# KiCad board AnalogFNN.kicad_pcb (continued)
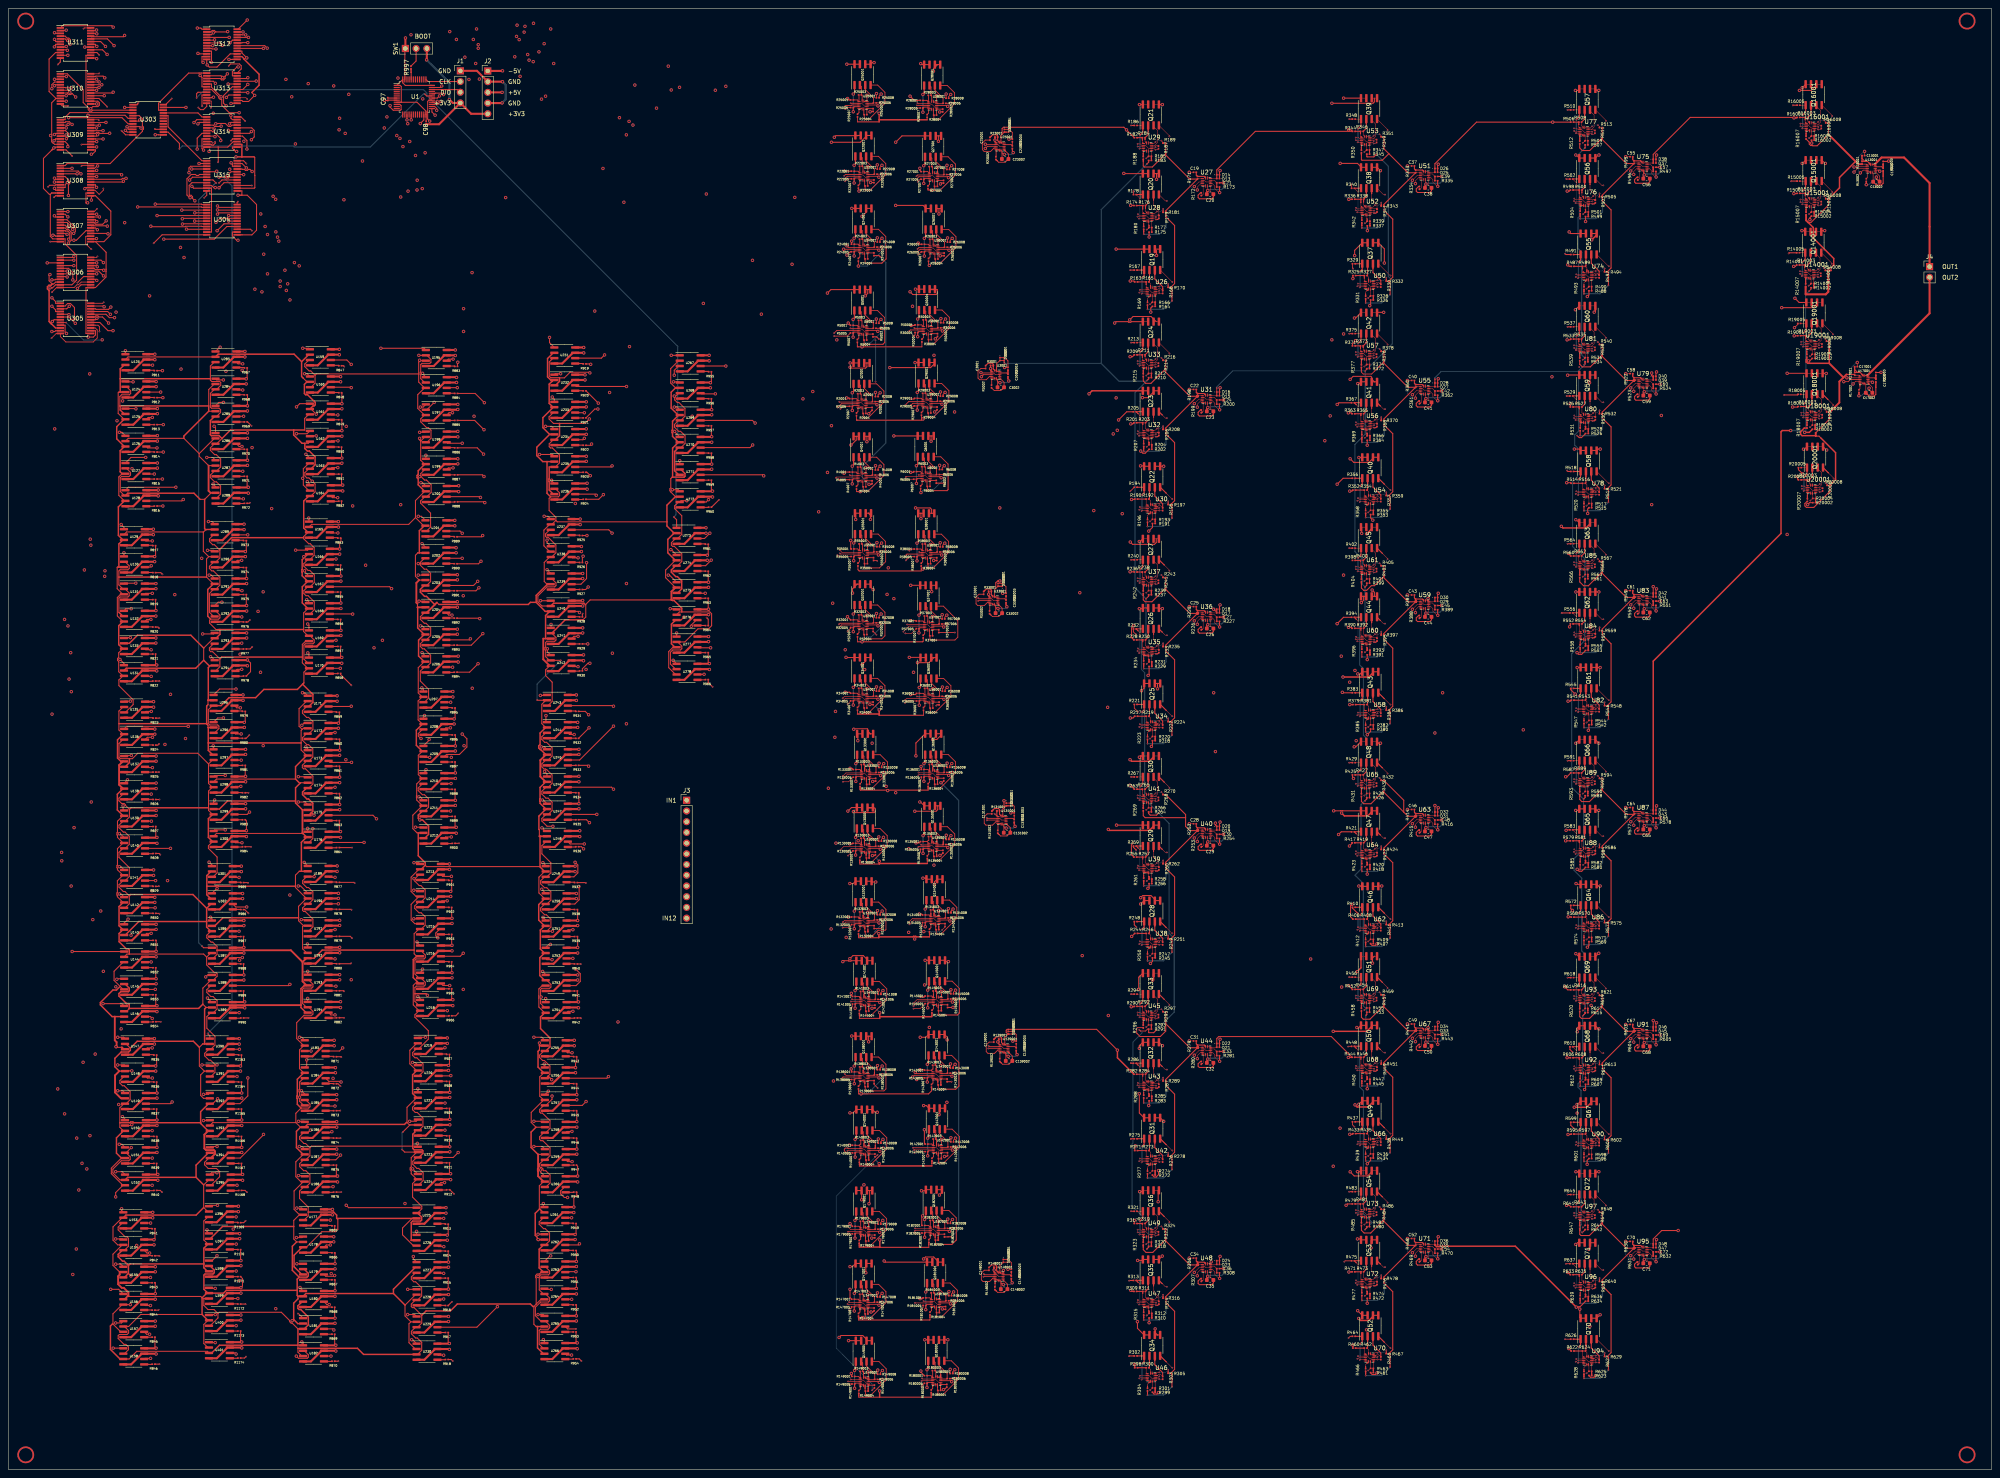
[diagram p0: board, top side]
## Routing (per net, layer and track width the routed paths; a pad name or vN(x,y) marks a point on that pad's centre or on a via; arc(x,y) is an arc through that point) (continued)
  Top w0.15: v2(214.5,110.6) 215.4,111.5 U145001.2 ; R136005.1 216.35,163.75 v2(216,163.4) ; v2(214.85,57.2) 214.96,57.09 U182001.2 ; v2(214.4,76.3) 214.49,76.4 U142001.2 ; 217.08,20.38 v2(216.4,19.7) ; R145005.1 216.05,109.3 v2(214.5,109.3) ; v2(216.3,37.9) 216.78,38.38 R181005.1 ; v2(199.2,37.7) 199.85,38.35 R147005.1 ; R6005.1 212.73,234.85 v2(212.68,234.8) ; v2(199.22,39.72) 199.34,39.59 U147001.2 ; v2(56.6,325.01) 56.28,325.32 U313.15 ; R133005.1 199.12,163.11 v2(197.78,163.11) ; R35005.1 196.82,216.53 v2(196.45,216.9) ; R182005.1 214.89,56.09 v2(214.8,56) ; U180001.2 216.68,21.47 v2(216.52,21.63) ; v2(199.92,111.54) 200.06,111.4 U141001.2 ; R142005.1 215,75.4 v2(214.7,75.1) ; v2(215.71,235.92) 215.79,235.85 U6001.2 ; U179001.2 199.62,56.89 v2(198.81,57.71) ; U34001.2 198.1,183.3 v2(197.7,182.9) ; U17001.2 435.73,258.9 ; R141005.1 200.05,109.75 v2(199.7,109.4) ; v2(216.49,128.9) 216.65,129.06 R134005.1 ; v2(215.3,183.35) 215.37,183.28 217.21,183.28 ; v2(198.2,93.8) 198.5,93.5 U138001.2 ; U136001.2 215.78,165.22 v2(215.7,165.3) ; U130001.2 197.93,147.72 v2(197.2,147) ; v2(212.5,181.8) 212.97,182.28 R36005.1 ; R132005.1 199.1,128.5 v2(197.7,128.5) ; U35001.2 197.54,217.53 v2(197,218.06) ; v2(198.93,74.9) 199.13,75.1 R140005.1 ; 199.61,182.24 v2(198.87,181.5) ; U37001.2 213.03,200.43 v2(213,200.4) ; v2(199.6,21.37) 199.67,21.29 U149001.2 ; U181001.2 216.95,39.92 v2(216.88,39.99) ; v2(212.57,198.3) 214.05,198.3 R37005.1 ; v2(197.76,129.84) 198.18,130.25 U132001.2 ; R179005.1 198.99,55.89 v2(198.8,55.7) ; U4001.2 199.48,235.75 v2(199.38,235.85) ; v2(213.49,129.91) 214.3,130.72 U134001.2 ; U133001.2 198.49,165.2 v2(197.79,164.5) ; 440.54,308.95 437.46,308.95 v1(437.41,308.9) ; 200.12,146.72 v2(199,145.6)
  Top w0.2: D33001.1 D33002.2 235.68,210.12 236.43,209.38 R33003.2 235.65,207.82 v1(235.63,207.8) ; v2(317.5,100.3) 317.57,100.37 R448.1 ; v1(441.77,257.85) 441.52,258.1 U17001.9 U17001.10 ; U143001.2 215.22,93.9 v1(214.9,94.22) ; v2(319,81.3) 318.54,81.76 R437.1 ; R329.1 318.54,284.96 v2(318.7,284.8) ; 205.95,21.39 v1(207.13,21.39) ; R34006.1 v1(206.83,183.4) ; R19005.1 424.09,271.59 v1(423.3,270.8) ; R25006.1 v1(206.83,324.1) ; v2(215.42,324.09) 215.6,323.9 U28001.2 ; R5006.1 v1(206.79,270.65) ; v2(214,251.7) 214.55,252.25 R29005.1 ; R135006.1 v1(223.37,148.22) ; D3001.1 D3002.2 236.14,263.67 236.89,262.93 R3003.2 236.11,261.37 v1(236.09,261.35) ; U33001.2 230,206.5 v2(229.82,206.68) ; U22001.2 198.36,307.1 v2(198.08,306.81) ; U25001.2 v2(199.6,324) ; D131001.1 D131002.2 237.62,158.04 238.37,157.3 R131003.2 237.59,155.75 v1(237.57,155.72) ; 205.89,39.69 v1(207.07,39.69) ; R136006.1 v1(223.57,165.32) ; v2(267.17,198.1) 266.64,198.63 R232.1 ; R32005.1 199.61,199.54 v2(198.87,198.8) ; R142006.1 v1(224.47,76.5) ; R140006.1 v1(207.27,76.2) ; 233.83,46.19 231.33,46.19 v2(231.13,46.39) ; U139001.2 232.47,100.3 v2(232.27,100.5) ; U308.15 20.52,303.38 21.5,302.4 22.5,303.4 v2(22.5,303.8) ; U38001.2 215.95,217.5 v2(215.85,217.6) ; 222.55,57.19 v1(223.73,57.19) ; R145006.1 v1(224.47,111.6) ; v2(10.3,279.2) 11.41,280.31 U306.12 15.56,280.31 16.22,280.97 16.61,280.97 17.25,281.61 U306.15 ; 435.73,258.9 v1(435.71,258.9) ; U32001.2 197.08,200.7 v2(196.79,200.42) ; R37006.1 v1(222.4,200.53) ; v1(238.04,101.6) 238.06,101.62 R139003.2 238.84,103.18 238.1,103.92 D139002.2 D139001.1 ; v2(212.68,215.6) 213.58,216.5 R38005.1 ; v2(215.45,289.45) 215.77,289.77 U26001.2 ; v2(198.3,305.5) 198.9,306.1 R22005.1 ; v2(198.93,74.9) 198.8,74.9 198.1,75.6 198.1,76 198.34,76.24 v2(198.9,76.24) 199.04,76.1 U140001.2 ; R132006.1 v1(207.07,130.35) ; R221.1 266.84,180.56 v2(267.7,179.7) ; R6006.1 v1(221.79,235.95) ; 235.73,45.8 235.73,45.39 ; v2(195.7,268.8) 198.82,268.8 R5005.1 ; 234.94,259.65 234.94,259.25 ; 206.05,57 v1(207.23,57) ; v1(443.51,307.9) 443.25,308.15 U13001.9 ; R28005.1 v2(215.3,322.9) ; U5001.2 199.65,270.55 v2(199.55,270.65) ; R626.1 368.92,30.92 v2(368.9,30.9) ; U23001.10 U23001.9 ; R130006.1 v1(207.37,147.82) ; R134006.1 v1(223.87,130.82) ; v2(10.2,268.3) 11.32,269.43 U305.12 12.3,268.7 13.6,267.4 20.1,267.4 21.05,268.35 21.05,270.25 20.58,270.73 U305.15 ; v2(212.6,252.5) 213.35,253.25 U29001.2 ; R133006.1 v1(207.44,165.3) ; R143006.1 v1(224.37,94) ; R24006.1 v1(207.03,289.9) ; R464.1 318,31.6 v2(317.6,31.2) ; v1(237.13,315.5) 237.15,315.52 R23003.2 237.93,317.08 237.18,317.82 D23002.2 D23001.1 ; 266.83,232.95 v2(265.87,231.99) ; U24001.2 199.13,289.8 v1(198.73,290.2) ; v2(214.5,268.7) 214.87,269.07 R30005.1 ; v1(215.25,92.5) 215.65,92.9 R143005.1 ; R180006.1 v1(224.3,21.57) ; R29006.1 v1(221.99,253.35) ; R178.1 266.64,303.16 v2(266.6,303.2) ; R35006.1 v1(206.93,217.62) ; v2(369.1,48.8) 369.12,48.82 R637.1 ; v2(215.8,146.1) 216.15,146.45 R135005.1 ; 236.42,154.03 236.42,153.62 ; R2006.1 v1(206.59,253.25) ; 442.44,308.55 442.44,308.15 ; v1(236.88,47.5) 236.9,47.51 237.68,47.51 237.68,49.07 236.94,49.81 235.78,49.81 ; v2(196.9,253.25) 197,253.15 U2001.2 ; v2(214.7,270.75) 214.8,270.65 U30001.2 ; v2(231.84,154.58) 231.99,154.43 U131001.2 ; R475.1 316.8,49.5 v2(316.6,49.3) ; R26006.1 v1(223.66,289.88) ; v2(318.3,304.8) 318.34,304.76 R340.1 ; U139001.10 U139001.9 ; R22006.1 v1(207.03,307.2) ; v1(230.49,260.15) 230.59,260.06 230.59,260.05 233.04,260.05 ; R138006.1 v1(207.07,93.6) ; v2(215.5,305.4) 216.1,306 R27005.1 ; R4006.1 v1(206.59,235.85) ; v2(215.2,306.7) 215.49,307 U27001.2 ; 443.79,260.16 443.79,260.18 v1(443.81,260.2) ; R30006.1 v1(222.09,270.75) ; R32006.1 v1(206.83,200.8) ; R26005.1 216.27,288.77 v2(215.59,288.1) ; R38006.1 v1(221.93,217.6) ; v1(231.53,314.3) 231.63,314.2 U23001.2 ; R28006.1 v1(223.33,324) ; v2(216.25,148.22) 216.35,148.12 U135001.2 ; U33001.10 U33001.9 ; v2(19.67,289.4) 19.6,289.4 18.32,290.67 18.32,292.4 18.43,292.5 U307.15 ; R141006.1 v1(207.27,111.5) ; R36006.1 v1(222.46,183.38) ; 222.82,40.02 v1(224,40.02) ; v2(198.34,322.6) 198.74,323 R25005.1 ; R27006.1 v1(223.53,307.1)
  Top w0.25: R578.2 390.46,152.22 v1(390.5,152.18) ; 49.73,313.62 51.99,313.62 53.29,314.93 54.2,314.93 ; 49.73,313.62 49.73,310.02 v2(49.7,310) ; 49.73,313.62 U314.12 ; R17003.2 443.79,260.16 ; v2(271.96,90.45) 272.38,90.45 R287.1 ; R206.1 272.38,244.95 v2(271.96,244.95) ; R476.1 324.08,43.6 v2(323.66,43.6) ; v1(338.86,156.94) 338.71,156.8 D32.2 D31.1 ; v1(287.16,256.55) 287.01,256.41 D16.2 D15.1 ; R395.1 324.08,196.21 v2(323.66,196.21) ; R605.2 390.46,100.78 v1(390.5,100.74) ; v1(338.86,258.68) 338.71,258.54 D28.2 D27.1 ; v1(287.16,102.05) 287.01,101.91 D22.2 D21.1 ; v2(46.4,301.6) 47,302.2 U315.12 ; 318.54,133.32 318.54,133.15 319.75,131.94 v2(319.76,131.94) ; v1(287.06,148.32) 287.01,148.37 R254.2 ; R227.2 287.01,199.87 v1(287.06,199.82) ; v1(390.5,306.51) 390.46,306.56 R497.2 ; D41.1 390.46,208.71 v1(390.6,208.85) ; v1(425.24,236.11) 424.24,237.12 R20005.1 ; v2(10.8,301.7) 11.18,302.08 U308.12 ; v2(265.6,44.8) 265.65,44.85 R313.1 ; R584.1 375.82,145.81 v2(375.4,145.81) ; D47.1 390.46,54.38 v1(390.6,54.52) ; v2(266,96.4) 266.05,96.35 R286.1 ; v2(34.4,290.8) 36.42,292.82 U304.12 ; v2(23.4,323.2) 21.45,325.15 U310.15 ; U1.23 98.45,320.05 v1(97.6,319.2) ; D23.1 D24.2 287.01,50.41 v1(287.16,50.55) ; R260.1 272.38,141.95 v2(271.96,141.95) ; v1(338.76,304.33) 338.71,304.37 R335.2 ; v2(422.9,323.5) 422.95,323.55 R16005.1 ; v1(390.5,203.62) 390.46,203.67 R551.2 ; R557.1 375.82,197.25 v2(375.4,197.25) ; v1(390.6,105.96) 390.46,105.82 D45.1 ; R564.1 v2(369.5,219.55) ; R13003.2 445.53,310.22 v1(445.61,310.3) ; v2(369.2,306.1) 369.26,306.04 R502.1 ; v2(420.85,254.84) 423.98,254.84 R18005.1 ; v1(89.1,324.7) 89.12,324.68 C97.1 ; U312.12 47,333.2 v1(47.1,333.1) 47.6,332.6 49.43,332.6 52.56,335.73 U312.15 ; R491.1 369.14,288.14 v2(368.94,288.34) ; v2(323.66,247.08) 324.08,247.08 R368.1 ; R167.1 v2(265.86,284.45) ; v1(390.5,255.07) 390.46,255.11 R524.2 ; v1(314.9,200.6) 316.41,202.11 R394.1 ; R321.1 v2(266.06,61.25) ; U310.12 12.75,323.4 v2(14.1,323.4) ; R429.1 v2(317.76,167.64) ; v1(371.32,183.9) 370.28,184.94 R545.1 ; v2(368.1,203.1) 368.15,203.15 R556.1 ; v1(287.06,302.83) 287.01,302.87 R173.2 ; R200.2 287.01,251.37 v1(287.06,251.32) ; D17.1 D18.2 287.01,204.91 v1(287.16,205.05) ; v2(422.5,305.5) 422.55,305.55 R15005.1 ; v2(267.3,146.9) 266.64,147.56 R259.1 ; v1(390.6,157.41) 390.46,157.26 D43.1 ; R503.1 375.82,300.14 v2(375.4,300.14) ; R308.2 287.01,45.37 v1(287.06,45.32) ; v2(265.6,26.9) 265.65,26.95 R302.1 ; R356.1 316.31,235.08 v1(314.9,233.67) ; D39.1 390.46,260.15 v1(390.6,260.29) ; v1(287.16,308.05) 287.01,307.91 D14.2 D13.1 ; U309.15 17.37,314.27 v2(17.3,314.2) ; R275.1 266.05,78.45 v2(266,78.4) ; v2(371,80.9) 370.28,81.62 R599.1 ; U303.12 27.77,316.52 v2(26.8,317.5) ; R348.1 v2(317.76,320.25) ; R456.1 v2(317.76,116.77) ; R632.2 390.46,49.33 v1(390.5,49.29) ; U1.35 102.35,327.75 v1(102.7,328.1) ; v1(287.06,96.82) 287.01,96.87 R281.2 ; D25.1 D26.2 338.71,309.41 v1(338.86,309.55) ; R362.2 338.71,253.5 v1(338.76,253.45) ; D37.1 390.46,311.6 v1(390.6,311.74) ; v2(21.5,335.5) 20.96,336.04 U311.15 ; v1(370.67,132.6) 370.28,132.99 R572.1 ; R537.1 v2(369.5,270.99) ; U309.12 13.63,312.97 v2(15.1,311.5) ; R645.1 v2(369.5,65.22) ; R443.2 338.71,100.89 v1(338.76,100.85) ; R24005.1 199.53,288.8 v1(198.73,288) ; D33.1 D34.2 338.71,105.93 v1(338.86,106.07) ; D35.1 D36.2 338.71,55.06 v1(338.86,55.2) ; R186.1 v2(266.06,318.75) ; U313.12 47,323.29 46.21,322.5 45.5,322.5 v2(45,323) ; R233.1 272.38,193.45 v2(271.96,193.45) ; v2(9.9,291.2) 9.9,291.2 U307.12 ; v2(375.4,42.92) 375.82,42.92 R638.1 ; v2(323.66,145.34) 324.08,145.34 R422.1 ; v1(338.86,207.81) 338.71,207.67 D30.2 D29.1 ; U304.15 57.38,294.12 v2(57.7,293.8) ; U1.47 93.95,336.88 ; v2(57.7,304.5) 57.67,304.52 U315.15 ; R529.1 369.28,254.59 v2(369.27,254.6) ; v2(369.4,236.91) 369.61,236.69 R518.1 ; U303.15 34.77,317.82 v2(34.7,317.9) ; R294.1 v2(266.06,112.75) ; v1(314.92,252.59) 315.31,252.98 R367.1 ; R611.1 375.82,94.36 v2(375.4,94.36) ; v1(263.1,248.92) 265.04,250.85 R205.1 ; v2(370.7,99) 370.08,99.62 R610.1 ; v2(271.96,296.45) 272.38,296.45 R179.1 ; v2(196.72,234.9) 196.87,234.75 R4005.1 ; R213.1 v2(266.06,267.25) ; R383.1 316.25,184.21 v1(316.14,184.32) ; R591.1 v2(369.5,168.11) ; R389.2 338.71,202.63 v1(338.76,202.59) ; v1(338.76,151.72) 338.71,151.76 R416.2 ; v2(375.4,248.69) 375.82,248.69 R530.1 ; v2(197.18,251.57) 197.76,252.15 R2005.1 ; R421.1 315.88,151.24 v1(315.24,150.6) ; R510.1 v2(369.5,322.44) ; R375.1 v2(317.76,269.38) ; v2(11.7,333.2) 12.3,333.8 U311.12 ; R267.1 v2(266.06,164.25) ; v1(287.16,153.55) 287.01,153.41 D20.2 D19.1 ; R240.1 v2(266.06,215.75) ; v2(323.66,297.95) 324.08,297.95 R341.1 ; R402.1 v2(317.76,218.51) ; v2(267.3,128.7) 266.84,129.16 R248.1 ; v2(271.96,38.95) 272.38,38.95 R314.1 ; v2(199.1,20.3) 199.11,20.29 R149005.1 ; R583.1 369.27,151.71 v1(369.16,151.6) ; R138005.1 v2(198.06,92.5) ; 89.97,324.75 U1.8 ; R470.2 338.71,50.02 v1(338.76,49.98) ; R14005.1 422.06,288.55 v2(421.9,288.4) ; R449.1 324.08,94.47 v2(323.66,94.47) ; R483.1 v2(317.76,65.9) ; R618.1 v2(369.5,116.66)
  Top w0.5: U302.7 55.52,135.38 v1(55.5,135.4) ; v1(165.32,222.03) 165.29,222.07 U273.7 ; v1(55.2,141.8) 55.17,141.84 53.17,141.84 ; v1(56.45,197.2) 56.39,197.13 U293.7 ; 98.92,235.89 100.78,235.89 103.32,238.44 ; v1(134.6,182.4) 134.56,182.44 U243.7 ; 53.27,222.94 50.73,220.4 U289.4 ; 102.75,163.89 100.21,161.35 U210.4 ; v1(136.95,252) 136.88,251.94 U233.7 ; 71.22,201.65 73.08,201.65 75.62,204.19 ; SW1.1 94.08,339.48 v1(94.1,339.5) ; U241.4 130.38,195.79 132.92,198.34 ; v1(137.15,232.5) 137.06,232.58 134.32,232.58 ; v1(106.6,191.5) 106.52,191.59 103.78,191.59 ; 70.22,78.64 72.08,78.64 74.62,81.19 ; v1(134.9,176) 134.91,175.99 U244.7 ; 131.97,54.54 134.31,54.54 v1(134.3,54.55) ; 32.02,68.69 29.48,66.14 27.62,66.14 ; 71.22,214.54 73.08,214.54 75.62,217.09 ; 49.08,254.89 50.93,254.89 53.47,257.44 ; 32.67,256.78 35.02,256.78 v1(35,256.8) ; 47.73,66.14 49.58,66.14 52.12,68.69 ; v1(117,324.1) 116.96,324.06 J2.4 ; 31.77,215.28 29.23,212.75 U130.4 ; 74.78,47.54 77.33,47.54 v1(77.4,47.6) ; U164.7 79.14,232.15 v1(79.22,232.06) ; v1(104,54.4) 104.02,54.38 U226.7 ; 74.62,100.54 72.08,98 70.22,98 ; v1(166.12,189.74) 166.04,189.82 U278.7 ; 75.32,169.34 72.78,166.79 70.92,166.79 ; 101.42,75.29 98.88,72.75 U223.4 ; U238.4 130.38,215.15 132.92,217.69 ; 49.08,248.44 50.93,248.44 53.47,250.99 ; v1(78.5,116.15) 78.44,116.09 U193.7 ; v1(106.2,257.8) 106.22,257.78 103.88,257.78 ; 32.12,250.33 29.58,247.8 U125.4 ; 75.62,210.63 73.08,208.09 71.22,208.09 ; U300.4 50.48,147.65 53.02,150.19 ; v1(134.6,48.15) 134.53,48.08 U263.7 ; v1(165.93,202.74) 165.91,202.72 U276.7 ; U388.7 55.73,116.03 v1(55.8,116.1) ; U389.4 50.08,107.04 52.62,109.59 ; v1(104.3,41.5) 104.28,41.49 U228.7 ; 131.72,141.84 129.18,139.29 127.32,139.29 ; 52.12,75.13 49.58,72.6 U394.4 ; U135.4 29.28,178.29 31.82,180.84 ; v1(56.65,251.05) 56.58,250.99 U285.7 ; v1(104.6,88.25) 104.53,88.19 U221.7 ; U209.4 100.21,167.8 102.75,170.34 ; 101.95,135.9 99.41,133.36 U214.4 ; 53.47,263.88 50.93,261.35 49.08,261.35 ; 101.95,123 99.41,120.46 U216.4 ; v1(35.2,88.1) 35.13,88.04 32.58,88.04 ; U155.4 29.08,44.3 31.62,46.83 ; 131.52,100.54 128.98,98 U255.4 ; U224.4 98.88,66.3 101.42,68.83 ; 31.82,174.38 29.28,171.84 U136.4 ; v1(55.5,68.6) 55.42,68.69 U395.7 ; U131.4 29.23,206.29 31.77,208.84 ; 53.02,182.44 50.48,179.9 U295.4 ; 53.27,197.13 50.73,194.59 U293.4 ; v1(56.35,257.45) 56.36,257.44 U284.7 ; v1(34.8,46.9) 34.73,46.83 U155.7 ; U292.7 56.44,203.59 v1(56.45,203.6) ; U210.7 105.91,163.89 v1(105.92,163.91) ; U143.4 29.28,125.5 31.82,128.03 ; v1(134.8,28.65) 134.72,28.74 U266.7 ; 74.78,60.44 76.77,60.44 v1(76.8,60.4) ; 70.92,120 72.78,120 75.32,122.53 ; U270.7 166.66,243.62 v1(166.68,243.63) ; U223.7 104.53,75.29 v1(104.6,75.35) ; U142.4 29.28,131.94 31.82,134.49 ; v1(55.3,88.1) 55.23,88.04 52.67,88.04 ; U274.7 165.64,215.62 v1(165.62,215.63) ; v1(135.2,163.1) 135.19,163.09 U246.7 ; v1(34.65,215.3) 34.66,215.28 U130.7 ; v1(55.3,81.6) 55.28,81.58 U393.7 ; v1(78.42,264.37) 78.39,264.4 U159.7 ; v1(134.7,74.8) 134.63,74.74 U259.7 ; 132.02,150.19 129.48,147.65 U248.4 ; U247.4 129.48,154.09 132.02,156.63 ; U252.7 134.88,122.49 v1(134.9,122.5) ; v1(78.2,223.5) 78.17,223.53 U165.7 ; U302.4 50.08,132.84 52.62,135.38 ; U166.7 78.52,217.09 v1(78.5,217.1) ; 131.52,94.08 128.98,91.55 U256.4 ; 74.78,41.08 77.39,41.08 v1(77.4,41.1) ; v1(105.12,123.01) 105.11,123 U216.7 ; U387.7 55.78,122.49 v1(55.8,122.5) ; U188.7 77.92,68.29 v1(78,68.2) ; 52.62,122.49 50.08,119.94 U387.4 ; 31.62,27.49 29.08,24.94 27.23,24.94 ; v1(35,168) 34.94,167.94 U137.7 ; 131.72,109.59 129.18,107.04 127.32,107.04 ; 163.5,243.62 160.96,241.08 U270.4 ; U148.7 34.91,94.49 v1(34.9,94.5) ; U389.7 55.92,109.59 v1(56,109.5) ; 31.62,33.94 29.08,31.39 U157.4 ; 131.42,54.54 128.88,52 U262.4 ; U260.4 128.98,65.75 131.52,68.29 ; v1(34.6,100.9) 34.56,100.94 U147.7 ; U272.7 166.79,230.72 v1(166.88,230.63) ; U234.4 131.23,242.94 133.77,245.49 ; 127.32,126.4 129.18,126.4 131.72,128.94 ; 163.5,250.07 160.96,247.53 U269.4 ; U167.7 78.73,210.63 v1(78.8,210.7) ; v1(34.8,40.4) 34.78,40.38 U156.7 ; 52.62,116.03 50.08,113.5 U388.4 ; 71.22,221 73.08,221 75.62,223.53 ; 163.5,230.72 160.96,228.18 U272.4 ; 133.47,198.34 136.03,198.34 v1(136.1,198.4) ; v1(104.3,94.65) 104.31,94.63 U220.7 ; 103.22,223.84 100.68,221.29 U201.4 ; U299.4 50.48,154.09 53.02,156.63 ; U257.7 134.63,87.63 v1(134.7,87.7) ; 162.75,202.72 160.21,200.18 U276.4 ; U398.7 55.03,48.29 v1(55.1,48.35) ; v1(78.5,129.05) 78.44,128.99 U191.7 ; v1(136.95,245.5) 136.94,245.49 U234.7 ; 31.82,148.59 29.28,146.04 U140.4 ; v1(56.2,169.6) 56.14,169.53 U297.7 ; U278.4 160.21,187.28 162.75,189.82 ; U271.7 166.61,237.17 v1(166.68,237.24) ; U160.7 78.74,257.95 v1(78.72,257.97) ; U274.4 160.21,213.08 162.75,215.62 ; 71.22,195.19 73.08,195.19 75.62,197.74 ; 131.72,135.38 129.18,132.84 127.32,132.84 ; 101.42,81.74 98.88,79.19 U222.4 ; U199.7 106.44,238.44 v1(106.5,238.5) ; 31.82,121.59 29.28,119.04 U144.4 ; U145.4 29.28,112.59 31.82,115.13 ; U290.4 50.73,213.94 53.27,216.49 ; 75.32,149.99 72.78,147.44 70.92,147.44 ; U238.7 135.81,217.69 v1(135.8,217.7) ; v1(35,161.5) 34.98,161.49 U138.7 ; v1(56.15,216.5) 56.17,216.49 U290.7 ; 51.92,48.29 49.38,45.75 U398.4 ; U240.4 130.38,202.25 132.92,204.78 ; U138.4 29.28,158.94 31.82,161.49 ; U253.7 134.84,116.03 v1(134.9,116.1) ; v1(56.4,150.1) 56.31,150.19 U300.7 ; 53.47,231.63 50.93,229.09 49.08,229.09 ; 31.77,221.74 29.23,219.19 U129.4 ; U399.7 55.08,41.83 v1(55.1,41.85) ; v1(34.4,180.8) 34.37,180.84 32.38,180.84 ; 31.77,195.94 29.23,193.4 U133.4 ; U242.7 136.22,191.88 v1(136.3,191.8) ; v1(165.93,196.34) 165.86,196.27 U277.7 ; v1(165.93,209.24) 165.86,209.17 U275.7 ; v1(104.3,48) 104.23,47.94 U227.7 ; U212.7 106.04,150.99 v1(106.12,150.91) ; U126.7 35.28,243.88 v1(35.3,243.9) ; U218.4 99.41,107.56 101.95,110.1 ; v1(56.2,156.7) 56.14,156.63 U299.7 ; 131.42,60.99 128.88,58.44 127.03,58.44 ; v1(34.95,196) 34.88,195.94 U133.7 ; 31.82,155.03 29.28,152.5 U139.4 ; 75.17,100.54 77.17,100.54 v1(77.2,100.5) ; 162.75,209.17 160.21,206.63 U275.4 ; 74.62,68.29 72.08,65.75 70.22,65.75 ; 101.42,94.63 98.88,92.1 U220.4 ; U386.7 55.73,128.94 v1(55.8,129) ; U231.7 136.31,264.83 v1(136.35,264.8) ; v1(78.8,197.8) 78.73,197.74 76.17,197.74 ; v1(106.4,198.1) 106.33,198.03 103.78,198.03 ; U206.4 100.68,189.04 103.22,191.59 ; 75.32,116.09 72.78,113.54 70.92,113.54 ; U163.4 73.31,236.06 75.85,238.6 ; U136.7 34.72,174.38 v1(34.7,174.4) ; U215.7 105.06,129.45 v1(105.12,129.51) ; 75.32,162.88 72.78,160.34 70.92,160.34 ; v1(56.05,263.85) 56.02,263.88 U283.7 ; U298.7 56.19,163.09 v1(56.2,163.1) ; 52.12,94.49 49.58,91.94 47.73,91.94 ; U162.7 79.01,245.05 v1(79.03,245.06) ; 127.03,32.64 128.88,32.64 131.42,35.19 ; U261.7 133.97,60.99 v1(134,60.95) ; 101.12,60.83 98.58,58.3 96.72,58.3 ; U260.7 134.81,68.29 v1(134.9,68.2) ; 70.22,72.19 72.08,72.19 74.62,74.74 ; U401.7 55.22,28.94 v1(55.3,28.85) ; v1(55,94.5) 55.02,94.49 U391.7 ; v1(134.6,35.25) 134.53,35.19 U265.7 ; v1(34.8,34) 34.73,33.94 U157.7 ; 74.78,28.19 77.52,28.19 v1(77.6,28.1) ; 75.88,182.24 77.86,182.24 v1(77.9,182.2) ; 75.32,141.88 72.78,139.34 70.92,139.34 ; v1(78.5,162.9) 78.48,162.88 U174.7 ; U128.7 35.41,230.99 v1(35.5,230.9) ; 52.62,141.84 50.08,139.29 U301.4 ; v1(105.8,223.8) 105.77,223.84 103.78,223.84 ; 53.02,163.09 50.48,160.54 U298.4 ; 75.32,182.24 72.78,179.69 70.92,179.69 ; 32.12,243.88 29.58,241.34 U126.4 ; 70.92,126.44 72.78,126.44 75.32,128.99 ; U291.4 50.73,207.5 53.27,210.03 ; U245.7 135.13,169.53 v1(135.2,169.6) ; U211.7 105.86,157.44 v1(105.92,157.5) ; 102.75,183.24 100.21,180.7 U207.4 ; U273.4 160.21,219.53 162.75,222.07 ; 51.92,61.19 49.38,58.64 47.52,58.64 ; v1(77.8,87.7) 77.73,87.63 U185.7 ; 98.92,255.25 100.78,255.25 103.32,257.78 ; 74.22,53.99 71.68,51.44 69.83,51.44 ; U132.7 34.94,202.38 v1(34.95,202.4) ; U288.7 56.77,231.63 v1(56.85,231.55) ; 32.33,221.74 34.31,221.74 v1(34.35,221.7) ; U239.4 130.38,208.69 132.92,211.24 ; U247.7 135.13,156.63 v1(135.2,156.7) ; v1(136.95,239.1) 136.88,239.03 U235.7 ; 71.22,188.75 73.08,188.75 75.62,191.28 ; 31.82,167.94 29.28,165.4 U137.4 ; v1(134.6,41.65) 134.59,41.63 U264.7 ; v1(78.5,169.4) 78.44,169.34 75.88,169.34 ; v1(134.3,141.8) 134.26,141.84 132.28,141.84 ; U219.7 103.97,101.08 v1(104,101.05) ; 70.92,132.9 72.78,132.9 75.32,135.44 ; U184.7 77.52,94.08 v1(77.5,94.1) ; U225.7 103.67,60.83 v1(103.7,60.8) ; v1(104.5,28.5) 104.42,28.58 U230.7 ; 98.92,229.44 100.78,229.44 103.32,231.99 ; 101.95,116.55 99.41,114.01 U217.4 ; 131.52,81.19 128.98,78.64 127.12,78.64 ; 131.52,87.63 128.98,85.1 U257.4 ; U162.4 73.31,242.51 75.85,245.05 ; 98.92,261.69 100.78,261.69 103.32,264.24 ; v1(135.1,109.5) 135.01,109.59 U254.7 ; U190.7 78.22,135.44 v1(78.2,135.45) ; 27.62,98.39 29.48,98.39 32.02,100.94 ; v1(106.5,244.9) 106.48,244.88 U198.7 ; 32.02,75.13 29.48,72.6 U151.4 ; 131.42,48.08 128.88,45.55 U263.4 ; U139.7 34.94,155.03 v1(35,155.1) ; U217.7 105.06,116.55 v1(105.12,116.62) ; v1(136.65,258.4) 136.66,258.38 U232.7 ; 131.52,74.74 128.98,72.19 U259.4 ; v1(105.33,183.21) 105.29,183.24 U207.7 ; U194.7 78.61,109.63 v1(78.7,109.55) ; 103.78,204.49 106.39,204.49 v1(106.4,204.5) ; 98.92,242.34 100.78,242.34 103.32,244.88 ; v1(78.2,175.8) 78.22,175.78 U172.7 ; 75.32,175.78 72.78,173.25 70.92,173.25 ; 74.78,34.63 77.33,34.63 v1(77.4,34.7) ; 47.73,98.39 49.58,98.39 52.12,100.94 ; 51.92,35.38 49.38,32.85 U400.4 ; U271.4 160.96,234.63 163.5,237.17 ; 101.42,101.08 98.88,98.55 U219.4 ; 31.62,59.74 29.08,57.19 U153.4 ; 101.95,129.45 99.41,126.91 U215.4 ; U192.7 78.48,122.53 v1(78.5,122.55) ; U292.4 50.73,201.04 53.27,203.59 ; v1(55.3,75.2) 55.23,75.13 U394.7 ; 75.85,264.4 73.31,261.86 U159.4 ; v1(104.8,68.75) 104.72,68.83 U224.7 ; U142.7 34.72,134.49 v1(34.7,134.5) ; 53.02,169.53 50.48,167 U297.4 ; v1(106.5,251.4) 106.44,251.33 U197.7 ; 132.02,169.53 129.48,167 U245.4 ; 101.67,35.04 104.23,35.04 v1(104.3,35.1) ; v1(35,128.1) 34.94,128.03 U143.7 ; 32.02,88.04 29.48,85.5 U149.4 ; U204.4 100.68,201.94 103.22,204.49 ; U181.4 71.68,32.1 74.22,34.63 ; 49.08,235.55 50.93,235.55 53.47,238.08 ; U392.4 49.58,85.5 52.12,88.04 ; U153.7 34.16,59.74 v1(34.2,59.7) ; 98.92,248.8 100.78,248.8 103.32,251.33 ; U256.7 134.41,94.08 v1(134.4,94.1) ; v1(106.1,217.4) 106.11,217.38 103.78,217.38 ; U266.4 128.88,26.19 131.42,28.74 ; U232.4 131.23,255.84 133.77,258.38 ; 32.12,256.78 29.58,254.25 U124.4 ; 31.62,53.29 29.08,50.75 U154.4 ; 101.12,41.49 98.58,38.94 96.72,38.94 ; U132.4 29.23,199.84 31.77,202.38 ; U150.4 29.48,79.05 32.02,81.58 ; U237.4 130.38,221.59 132.92,224.13 ; v1(134.1,100.5) 134.06,100.54 132.07,100.54 ; 53.47,244.53 50.93,242 49.08,242 ; 75.32,109.63 72.78,107.09 70.92,107.09 ; U127.7 35.23,237.44 v1(35.3,237.5) ; U144.7 34.98,121.59 v1(35,121.6) ; 96.72,45.39 98.58,45.39 101.12,47.94 ; v1(34.5,53.3) 34.52,53.29 U154.7 ; 74.62,94.08 72.08,91.55 70.22,91.55 ; v1(78.5,156.5) 78.44,156.44 U175.7 ; U246.4 129.48,160.54 132.02,163.09 ; v1(136.1,204.8) 136.09,204.78 U240.7 ; 103.22,217.38 100.68,214.84 U202.4 ; 32.12,263.24 29.58,260.69 U123.4 ; U296.4 50.48,173.44 53.02,175.99 ; v1(55.6,182.4) 55.56,182.44 U295.7 ; v1(134.7,81.2) 134.69,81.19 U258.7 ; v1(56.65,190.6) 56.56,190.69 U294.7 ; U177.4 71.68,57.89 74.22,60.44 ; 75.85,251.5 73.31,248.96 U161.4 ; U213.7 104.49,142.35 v1(104.53,142.31) ; 102.75,176.79 100.21,174.25 U208.4 ; v1(117.1,329.1) 117.06,329.13 J2.2 111.03,331.7 J1.1 ; 27.62,91.94 29.48,91.94 32.02,94.49 ; 51.92,28.94 49.38,26.39 U401.4 ; v1(34.4,140.9) 34.37,140.94 U141.7 ; v1(34.7,263.2) 34.66,263.24 U123.7 ; v1(135.5,224.1) 135.47,224.13 U237.7 ; 133.77,239.03 131.23,236.5 U235.4 ; v1(35.15,189.4) 35.06,189.49 U134.7 ; U286.7 56.64,244.53 v1(56.65,244.55) ; U267.4 160.96,260.43 163.5,262.97 ; v1(104.6,81.75) 104.58,81.74 U222.7 ; 101.12,54.38 98.58,51.85 96.72,51.85 ; 103.22,198.03 100.68,195.5 U205.4 ; U161.7 78.96,251.5 v1(79.03,251.56) ; v1(136.1,211.3) 136.03,211.24 133.47,211.24 ; 131.72,122.49 129.18,119.94 127.32,119.94 ; U244.4 129.48,173.44 132.02,175.99 ; 51.92,41.83 49.38,39.3 U399.4 ; v1(35.3,250.4) 35.23,250.33 U125.7 ; U397.4 49.38,52.19 51.92,54.74 ; 69.83,25.64 71.68,25.64 74.22,28.19 ; 52.62,128.94 50.08,126.4 U386.4 ; v1(77.1,54) 77.11,53.99 74.78,53.99 ; U128.4 29.58,228.44 32.12,230.99 ; 101.95,142.35 99.41,139.81 U213.4 ; U211.4 100.21,154.9 102.75,157.44 ; 96.72,32.5 98.58,32.5 101.12,35.04 ; v1(135.4,150.1) 135.31,150.19 U248.7 ; U146.7 35.12,108.69 v1(35.2,108.6) ; U390.7 54.67,100.94 v1(54.7,100.9) ; U269.7 166.61,250.07 v1(166.68,250.13) ; U250.7 134.62,135.38 v1(134.6,135.4) ; U214.7 104.84,135.9 v1(104.83,135.91) ; v1(166.07,262.94) 166.04,262.97 U267.7 ; 70.92,153.9 72.78,153.9 75.32,156.44 ; 53.27,190.69 50.73,188.15 U294.4 ; v1(105.62,176.81) 105.64,176.79 U208.7 ; v1(79.03,238.67) 78.96,238.6 U163.7 ; 74.22,47.54 71.68,45 U179.4 ; U396.7 54.47,61.19 v1(54.5,61.15) ; U140.7 35.12,148.59 v1(35.2,148.5) ; U141.4 29.28,138.4 31.82,140.94 ; 162.75,196.27 160.21,193.73 U277.4 ; v1(105.92,170.41) 105.86,170.34 U209.7 ; 31.77,189.49 29.23,186.94 U134.4 ; v1(56.45,210.1) 56.39,210.03 U291.7 ; U393.4 49.58,79.05 52.12,81.58 ; v1(35.2,75.2) 35.13,75.13 U151.7 ; v1(78.8,204.2) 78.78,204.19 U168.7 ; 75.85,257.95 73.31,255.41 U160.4 ; 129.38,230.04 131.23,230.04 133.77,232.58 ; 127.32,113.5 129.18,113.5 131.72,116.03 ; v1(55.9,176) 55.92,175.99 U296.7 ; v1(134.9,129) 134.84,128.94 U251.7 ; v1(105.33,110.01) 105.24,110.1 U218.7 ; U243.4 129.48,179.9 132.02,182.44 ; v1(106.4,211) 106.33,210.94 103.78,210.94 ; v1(77.8,81.2) 77.78,81.19 U186.7 ; U268.4 160.96,253.98 163.5,256.52 ; 103.22,210.94 100.68,208.4 U203.4 ; 74.22,41.08 71.68,38.55 U180.4 ; U150.7 35.19,81.58 v1(35.2,81.6) ; v1(35,115.2) 34.94,115.13 U145.7 ; 133.77,264.83 131.23,262.3 U231.4 ; U268.7 166.39,256.52 v1(166.38,256.53) ; U189.7 77.86,141.88 v1(77.9,141.85) ; U176.7 78.61,149.99 v1(78.7,149.9) ; U152.7 35.31,68.69 v1(35.4,68.6) ; U158.7 34.91,27.49 v1(35,27.4) ; U242.4 130.38,189.34 132.92,191.88 ; v1(77.8,74.8) 77.73,74.74 U187.7 ; 31.62,40.38 29.08,37.85 U156.4 ; U397.7 54.81,54.74 v1(54.8,54.75) ; 102.75,150.99 100.21,148.45 U212.4 ; v1(34.95,208.9) 34.88,208.84 32.33,208.84 ; v1(56.65,238.15) 56.58,238.08 54.03,238.08 ; 70.22,85.1 72.08,85.1 74.62,87.63 ; U195.7 105.86,264.24 v1(105.9,264.2) ; 96.72,26.05 98.58,26.05 101.12,28.58 ; v1(79,191.2) 78.92,191.28 U170.7 ; U164.4 73.31,229.61 75.85,232.15 ; 131.42,41.63 128.88,39.1 U264.4 ; v1(55.1,35.45) 55.03,35.38 U400.7 ; 101.42,88.19 98.88,85.64 97.03,85.64 ; U233.4 131.23,249.39 133.77,251.94 ; 32.12,237.44 29.58,234.89 U127.4 ; 31.82,108.69 29.28,106.15 U146.4 ; v1(55.85,222.9) 55.81,222.94 U289.7 ; U200.7 106.61,231.99 v1(106.7,231.9)
  Bottom w0.25: v2(319.76,131.94) 319.83,131.87 v2(319.83,128.64)
  Bottom w0.5: v1(117,324.1) 117.85,324.95 117.85,328.35 v1(117.1,329.1)
  vias: v3(4.1,343.5) v3(4.1,3.5) v3(464.2,343.5) v3(464.2,3.5)
